# Altium PCB Copy of drac_v3.PcbDoc (part 2 of 5) (continued)
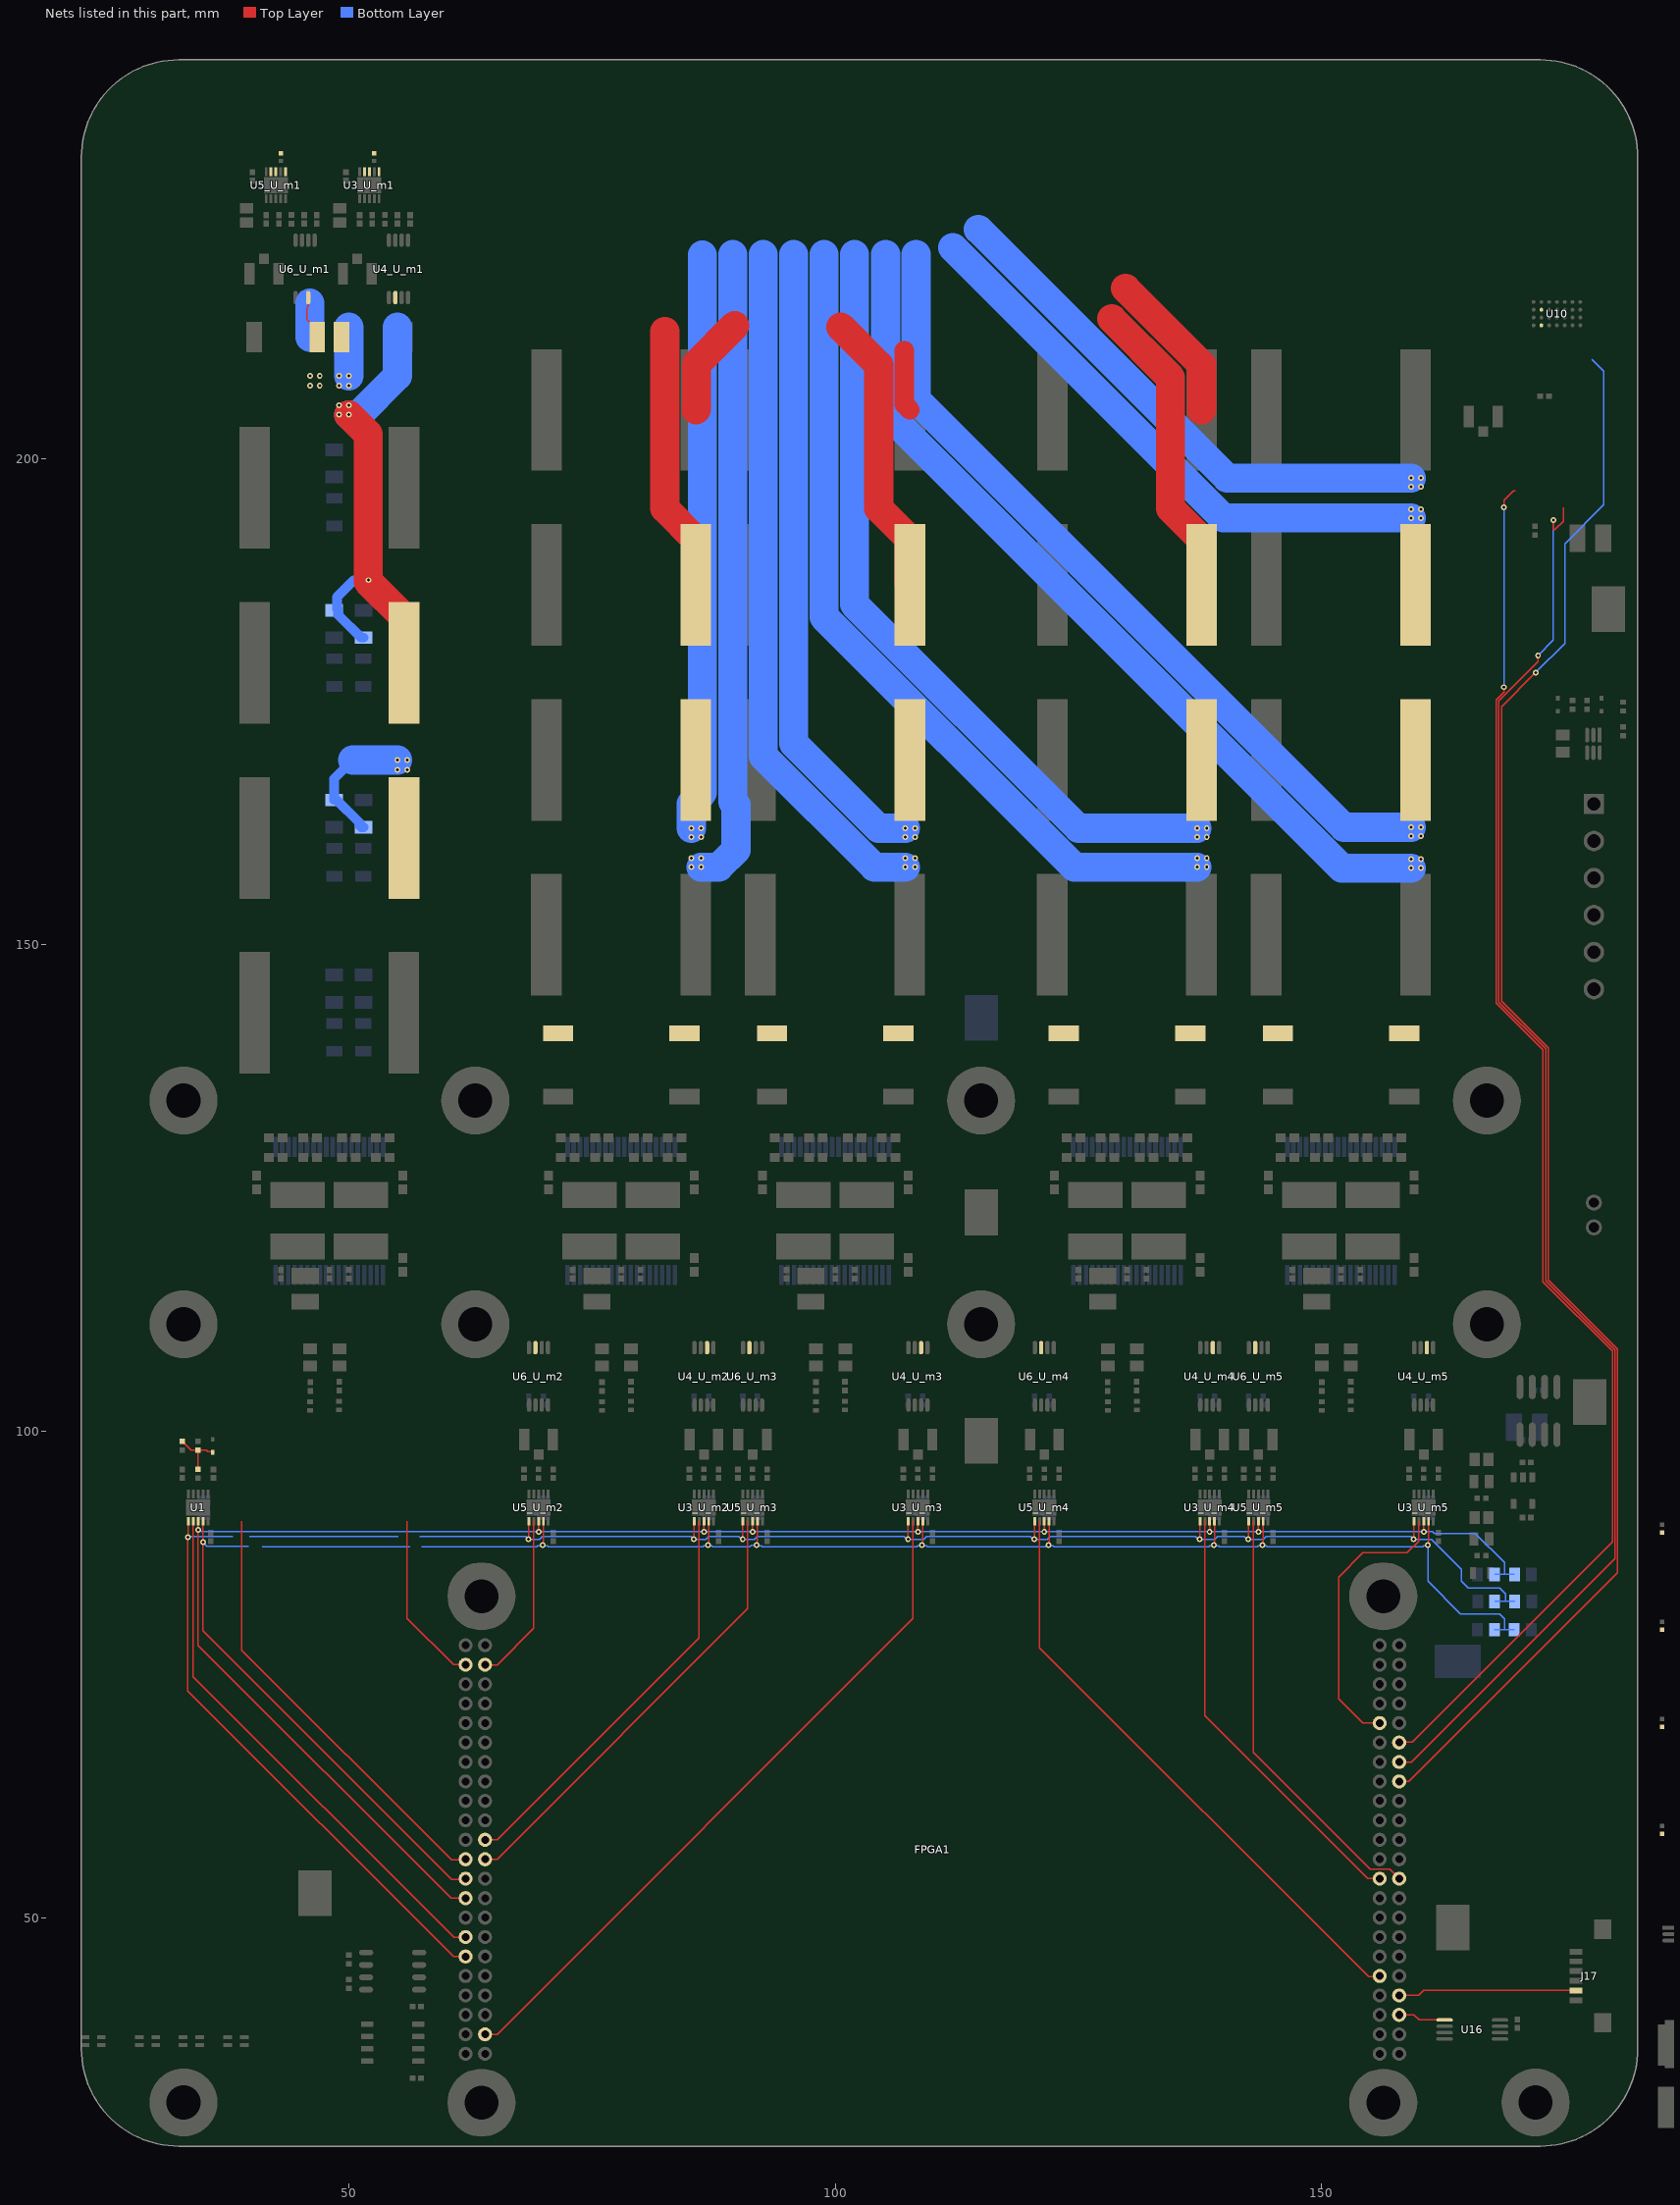
[diagram p4: the nets of this part, all layers, seen from the top]
## Part data (continued)
J5: library part "HEADER 2", "TE Connectivity MTA-100 Series, 2.54mm Pitch 2 Way 1 Row Straight PCB Header, Solder Termination, 5A", Color=Natural,White,Beige, Colour=White,Natural,Beige, Contact Current Rating=5A, Contact Resistance=6mR, Flammability Rating="UL94 V-0", Housing Color=Natural, Manufacturer="TE Connectivity", Manufacturer Part Number=640457-2, Max Operating Temperature=221°C, Max Voltage Rating (AC)=250V, Min Operating Temperature=-67°C, Package Quantity=1, Supplier Part Number 1=A19423-ND, Approvals=CSA, Backwall/Post Interruptions="No (Without)", Category=Connectors, ComponentLink1Description=https://datasheet.ciiva.com/709/eng-cd-640457-s2-709682.pdf, ComponentLink1URL=https://datasheet.ciiva.com/709/eng-cd-640457-s2-709682.pdf, ComponentLink2Description=https://datasheet.ciiva.com/14640/70083657-14640359.pdf, ComponentLink2URL=https://datasheet.ciiva.com/14640/70083657-14640359.pdf, ComponentLink3Description=https://datasheet.ciiva.com/3118/eng-ds-82056-mta-0608-3118505.pdf, ComponentLink3URL=https://datasheet.ciiva.com/3118/eng-ds-82056-mta-0608-3118505.pdf, ComponentLink4Description=https://datasheet.ciiva.com/11750/0900766b806a960f-11750281.pdf, ComponentLink4URL=https://datasheet.ciiva.com/11750/0900766b806a960f-11750281.pdf, ComponentLink5Description=https://datasheet.ciiva.com/30192/8852eng-ds-82056-mta-0608-30192537.pdf, ComponentLink5URL=https://datasheet.ciiva.com/30192/8852eng-ds-82056-mta-0608-30192537.pdf, ComponentLink6Description=https://datasheet.ciiva.com/16395/eng-ds-82056-mta-0608-16395963.pdf, ComponentLink6URL=https://datasheet.ciiva.com/16395/eng-ds-82056-mta-0608-16395963.pdf, ComponentLink7Description=https://datasheet.ciiva.com/25618/0900766b80e9e25b-25618125.pdf, ComponentLink7URL=https://datasheet.ciiva.com/25618/0900766b80e9e25b-25618125.pdf, ComponentLink8Description=https://datasheet.ciiva.com/16505/eng-ds-82056-mta-0608-16505423.pdf, ComponentLink8URL=https://datasheet.ciiva.com/16505/eng-ds-82056-mta-0608-16505423.pdf, ComponentLink9Description=https://datasheet.ciiva.com/16656/eng-ds-82056-mta-0608-16656527.pdf, ComponentLink9URL=https://datasheet.ciiva.com/16656/eng-ds-82056-mta-0608-16656527.pdf, ComponentLink10Description=https://datasheet.ciiva.com/15175/getdatasheetpartid-46749-15175703.pdf?src-supplier=Verical, ComponentLink10URL=https://datasheet.ciiva.com/15175/getdatasheetpartid-46749-15175703.pdf?src-supplier=Verical, ComponentLink11Description=https://datasheet.ciiva.com/16394/eng-ds-82056-mta-0608-16394202.pdf?src-supplier=Future+Electronics, ComponentLink11URL=https://datasheet.ciiva.com/16394/eng-ds-82056-mta-0608-16394202.pdf?src-supplier=Future+Electronics, ComponentLink12Description=https://datasheet.ciiva.com/6045/1650873-6045536.pdf?src-supplier=Farnell, ComponentLink12URL=https://datasheet.ciiva.com/6045/1650873-6045536.pdf?src-supplier=Farnell, ComponentLink13Description=https://datasheet.ciiva.com/11746/0900766b806b3bd3-11746906.pdf?src-supplier=RSComponents, ComponentLink13URL=https://datasheet.ciiva.com/11746/0900766b806b3bd3-11746906.pdf?src-supplier=RSComponents, ComponentLink14Description=https://datasheet.ciiva.com/7703/eng-ds-82056-mta-0608-7703518.pdf?src-supplier=Element14, ComponentLink14URL=https://datasheet.ciiva.com/7703/eng-ds-82056-mta-0608-7703518.pdf?src-supplier=Element14, ComponentLink15Description=https://datasheet.ciiva.com/3118/eng-ds-82056-mta-0608-3118490.pdf?src-supplier=Avnet, ComponentLink15URL=https://datasheet.ciiva.com/3118/eng-ds-82056-mta-0608-3118490.pdf?src-supplier=Avnet, ComponentLink16Description=https://datasheet.ciiva.com/709/eng-cd-640454-y2-709679.pdf?src-supplier=Digi-Key, ComponentLink16URL=https://datasheet.ciiva.com/709/eng-cd-640454-y2-709679.pdf?src-supplier=Digi-Key, ComponentLink17Description=https://datasheet.ciiva.com/16684/eng-ds-82056-mta-0608-16684984.pdf?src-supplier=Avnet+Europe, ComponentLink17URL=https://datasheet.ciiva.com/16684/eng-ds-82056-mta-0608-16684984.pdf?src-supplier=Avnet+Europe, Connector System=Wire-to-Board, Connector Type=Plug,Header,Pin, Contact Gender=Male, Contact Material="Copper Alloy", Contact Mating Length=0.295inch, Contact Plating=Tin, Contact Post Length=3.56mm, Contact Retention="No (Without)", Contact Shape=Square, Contact Style=Straight, Contact Type="Male Pin", Current Rating=5A, Depth=11.04mm, ELV=Compliant, Fastening Type=Friction, Gender=Male, Height=7.75mm, Housing Material=Polyester, Lead Free="Lead Free", Length=5.08mm, Mating Alignment="No (Without)", Mating Retention="No (Without)", Mount="Through Hole", Number of Contacts=2, Number of Positions=2, Number of Rows=1, Orientation="Right Angle", Packaging=Bulk, PCB Mount Alignment="No (Without)", PCB Mount Retention=Without, PCB Mounting Orientation=Vertical, PCB Thickness=0.063inch, Pitch=2.54mm, Plating Thickness=3.81um, Pricing 1="1=0.14, 10=0.127, 100=0.0783, 500=0.06482, 1000=0.05672, 5000=0.04862, 10000=0.04727 (USD)", Pricing 2="1=0.10000, 10=0.09400, 100=0.05800, 500=0.04802, 1000=0.04202, 5000=0.03601, 10000=0.03501 (USD)", Radiation Hardening=No, REACH SVHC=Unknown, RoHS=Yes, RoHS Compliant=Yes, Sealable="No (Without)", Series=MTA-100, Shrouded="No (Without)", Stock 1=10901, Stock 2=28315, Strain Relief="No (Without)", Supplier 1=Digi-Key, system=connector, Tail Length=3.56mm, Termination=Solder, Termination Post Length=3.56mm, Underplate Material=Nickel, Voltage Rating=250V
J16: library part 618026325223, "WR-DSUB Female High Density Angled PCB Connector without Hex Screw, 26p", Manufacturer="Wurth Electronics", Supplier Part Number 1=732-618026325223-ND, ComponentLink1Description=Manufacturer, ComponentLink1URL=http://www.we-online.de, ComponentLink2Description=Datasheet, ComponentLink2URL=http://katalog.we-online.de/em/datasheet/6180xx325223.pdf, Manufacturer Part Number=618026325223, PartNumber=618026325223, PinNumber=26, Pricing 1="1=8.10000, 10=7.69500, 50=7.15500, 100=6.75000, 250=6.21000, 500=5.40002 (USD)", Published="June 2016", Publisher="Wurth Elektronik", RoHS=Yes, RoHS Compliant=Yes, Stock 1=325, Supplier 1=Digi-Key, system=connector
J17: library part CMP-1502-01513-1, "SMT ZIF Connectors Hinge Type WR-FPC, Horizontal, Bottom Contact, pitch 1 mm, 6 pins", Contact Resistance=50mOhm, Manufacturer="Wurth Elektronik", Operating Temperature=-40to105degC, Rated Current=1A, Withstanding Voltage=500VAC, Working Voltage=100VAC, Contact Design=BottomContact, Datasheet URL=https://katalog.we-online.de/em/datasheet/686106148922.pdf, Manufacturer URL=http://www.we-online.de, Mounting Technology=SMT, Orientation=Horizontal, Package Reference=686106148922, Packaging=TapeandReel, Part Number=686106148922, Pin Number=6, Pitch=1mm, Publisher=WurthElektronik
L1_U_m1 L1_U_m2 L1_U_m3 L1_U_m4 L1_U_m5 L2_U_m1 L2_U_m2 L2_U_m3 L2_U_m4 L2_U_m5 L3_U_m1 L3_U_m2 L3_U_m3 L3_U_m4 L3_U_m5 L4_U_m1 L4_U_m2 L4_U_m3 L4_U_m4 L4_U_m5: library part Ind_0805, "FIXED IND 100UH 5.3A 118 MOHM", Case Code (Imperial)=0805, Case Code (Metric)=2012, Current Rating=6A, DC Resistance (DCR)=10mR, Inductance=100uH, Inductance Tolerance=20%, Manufacturer=TDK, Manufacturer Part Number=MPZ2012S300AT000, Max Operating Temperature=150°C, Min Operating Temperature=-40°C, Package Quantity=1, Ratings=AEC-Q200, Resistor Type=Wirewound, RMS Current (Irms)=5.3A, Saturation Current=6.5A, Self Resonant Frequency=2MHz, Supplier Part Number 1=SRP1770TA-101MCT-ND, Test Frequency=100kHz, Case/Package=0805, Category="Fixed Inductors", ComponentLink1Description=https://datasheet.ciiva.com/46381/1750041-46381644.pdf, ComponentLink1URL=https://datasheet.ciiva.com/46381/1750041-46381644.pdf, ComponentLink2Description=https://datasheet.ciiva.com/48682/beads-commercial-power-mpz-en-48682508.pdf, ComponentLink2URL=https://datasheet.ciiva.com/48682/beads-commercial-power-mpz-en-48682508.pdf, ComponentLink3Description=https://datasheet.ciiva.com/8077/55169-8077085.pdf, ComponentLink3URL=https://datasheet.ciiva.com/8077/55169-8077085.pdf, ComponentLink4Description=https://datasheet.ciiva.com/8077/55169-8077086.pdf, ComponentLink4URL=https://datasheet.ciiva.com/8077/55169-8077086.pdf, ComponentLink5Description=https://datasheet.ciiva.com/46634/beads-commercial-power-mpz-en-46634590.pdf, ComponentLink5URL=https://datasheet.ciiva.com/46634/beads-commercial-power-mpz-en-46634590.pdf, ComponentLink6Description=https://datasheet.ciiva.com/46634/beads-commercial-power-mpz-en-46634367.pdf, ComponentLink6URL=https://datasheet.ciiva.com/46634/beads-commercial-power-mpz-en-46634367.pdf, ComponentLink7Description=http://www.farnell.com/datasheets/2360566.pdf?src-supplier=Farnell, ComponentLink7URL=http://www.farnell.com/datasheets/2360566.pdf?src-supplier=Farnell, ComponentLink8Description=http://www.farnell.com/datasheets/1955470.pdf?src-supplier=Element14, ComponentLink8URL=http://www.farnell.com/datasheets/1955470.pdf?src-supplier=Element14, ComponentLink9Description=http://www.bourns.com/docs/Product-Datasheets/SRP1770TA.pdf?src-supplier=Digi-Key, ComponentLink9URL=http://www.bourns.com/docs/Product-Datasheets/SRP1770TA.pdf?src-supplier=Digi-Key, ComponentLink10Description=https://www.bourns.com/docs/Product-Datasheets/SRP1770TA.pdf?src-supplier=Digi-Key, ComponentLink10URL=https://www.bourns.com/docs/Product-Datasheets/SRP1770TA.pdf?src-supplier=Digi-Key, Core Material=Ferrite, Depth=1.25mm, Height=0.041inch, Height - Seated (Max)=0.276inch, Impedance=30R, Lead Free="Lead Free", Length=0.079inch, Max DC Current=6A, Mount="Surface Mount", Number of Pins=3, Packaging="Tape and Reel", Pricing 1="1=0.11, 10=0.091, 25=0.0704, 50=0.0584, 100=0.0503, 250=0.04028, 500=0.03624, 1000=0.0302 (USD)", Pricing 2="1=4.17000, 10=3.82200, 25=3.47520, 50=2.91900, 100=2.50200 (USD)", REACH SVHC="No SVHC", RoHS=Yes, RoHS Compliant=Yes, Shielding=Shielded, Stock 1=117704, Stock 2=17, Supplier 1=Digi-Key, Tolerance=20%, Width=0.049inch
L5 L6: library part CMP-2000-06589-1, "Chip Inductor, 1.0 uH, +/- 20%, -55 to 125 degC, 2-Pin SMD (0805), RoHS, Tape and Reel", Case Size/Dimension=0805, DC Resistance=0.19, Inductance-Nom=1H, Manufacturer=Murata, Package Description="2-Pin Surface Mounted Device, Body 2 x 1.25 mm", Rated Current-Max=800mA, Tolerance (%)=20%, Datasheet URL=https://datasheet.ciiva.com/3866/336lqm21pn1r0mc023-3866307.pdf, Datasheet Version=07/2014, Manufacturer URL=http://www.murata.com/, Mounting Technology=SurfaceMount, Package Reference=0805
L7 L8 L9 L10: library part CMP-0222-00042-1, "SMD Common Mode Noise Suppressor WE-CNSW, Z = 370 Ohm", ComponentLink1Description="Manufacturer Link", ComponentLink1URL=http://www.we-online.com, ComponentLink2Description=Datasheet, ComponentLink2URL=http://www.we-online.de/katalog/media/pdf/744231371.pdf, DatasheetVersion="ver 4, Nov-2010", Impedance="370 Ohm", PackageDescription="SMD Inductor, 4-Leads, Body 1.4 x 2.2 mm", PackageReference=WE-CNSW-0805, PackageVersion=2010
P1: library part CMP-1502-02269-1, "Serie 3315 - 5.08mm Double Level Horizontal Male PCB Header with Flanges WR-TBL, 10 pin", Manufacturer="Wurth Elektronik", Operating Temperature=-40to105degC, Datasheet URL=http://katalog.we-online.de/em/datasheet/6913315100xx.pdf, Gender=Male, Manufacturer URL=http://www.we-online.de, Mounting Technology=THT, Package Reference=691331510010, Packaging=Box, Part Number=691331510010, Pin Number=10, Pitch=5.08mm, Publisher=WurthElektronik
P2: library part CMP-2000-05242-1, "Male Header, Pitch 2.54 mm, 1 x 3 Position, Height 8.18 mm, Tail Length 3.56 mm, RoHS, Bulk", Current Rating=4A, Manufacturer=Molex, Voltage Rating=250V, Brand=Molex, Contact Gender=Pin(Male), Contact Material=Brass, Contact Plating=Tin, Datasheet URL=https://datasheet.ciiva.com/19472/232274-19472863.pdf, Datasheet Version=Sep-01, Factory Pack Quantity=16000, Housing Material=Nylon, Manufacturer URL=http://www.molex.com/, Mounting Angle=Vertical, Mounting Style=ThroughHole, Number of Positions=3Position, Number of Rows=1Row, Packaging=Bulk, Pitch=2.54mm, Product=Headers, Product Category=Headers&WireHousings, RoHS=Details, Series=6373, Termination Style=ThroughHole, Tradename=KK, Type=Locking
Q1 Q2 Q3: library part CMP-12801-000100-1, "MOSFET 2N-CH 30V 1A SOT363", Case/Package=SOT-363, Continuous Drain Current (ID)=1A, Drain to Source Resistance=190mR, Drain to Source Voltage (Vdss)=30V, Gate to Source Voltage (Vgs)=20V, Input Capacitance=87pF, Max Operating Temperature=150°C, Max Power Dissipation=320mW, Min Operating Temperature=-55°C, Package Quantity=3000, Element Configuration=Dual, Fall Time=15.6ns, FET Type="2 N-Channel", Height=1mm, Lead Free="Lead Free", Length=2.2mm, Mount="Surface Mount", Number Of Channels=2, Number of Pins=6, Packaging="Tape and Reel", Radiation Hardening=No, Rds On Max=190mR, Rise Time=8.9ns, Supplier 1="Arrow Electronics", Supplier Part Number 1=DMN3190LDW-7, Turn-Off Delay Time=30.3ns, Turn-On Delay Time=4.5ns, Weight=0.000212oz, Width=1.35mm
R1 R9_U_m1 R9_U_m2 R9_U_m3 R9_U_m4 R9_U_m5 R10_U_m1 R10_U_m2 R10_U_m3 R10_U_m4 R10_U_m5: "RES, 0, 5%, 0.063 W, 0402", Manufacturer=Vishay-Dale, Power_W=0.063, Supplier Part Number 1=541-0.0JCT-ND, TempCo="200 ppm/C", Tolerance_%=5, Value1=5%, Value2=0.063W, Value_Code=0000, ValueDisplayed=0, AEC Category=Q200, AEC Qualified=?, ComponentLink1Description="Datasheet link", ComponentLink1URL=http://www.vishay.com/docs/20035/dcrcwe3.pdf, CompType=Resistor, EIA_Code=E24, LatestRevisionDate=2016-07-14, MountType=SMT, PackageReference=0402, PartNumber=CRCW04020000Z0ED, Published=2008-06-26, Publisher="Texas Instruments", Res_ohm=0, RoHS=Y, SizeArea_mm2=0.5, SizeX_mm=1, SizeY_mm=0.5, SizeZ_mm=0.6, Supplier 1=Digi-Key, Supplier 2=Mouser, Supplier 3=Farnell, Supplier Part Number 2=71-CRCW0402-0-E3, Supplier Part Number 3=1469661, SymbolVersion=2009-05-29, Technology="Thick Film", U/M=EA, VDC_V=50
R2_U_m1 R2_U_m2 R2_U_m3 R2_U_m4 R2_U_m5 R3_U_m1 R3_U_m2 R3_U_m3 R3_U_m4 R3_U_m5: library part TLR3A20ER010FTDG, "RES 0.01 OHM 1% 2W 2512", Device Package="2512 (6432 Metric)", Manufacturer="TE Connectivity Passive Product", Operating Temperature="-55°C ~ 170°C", Power (Watts)=2W, Supplier Device Package=2512, Supplier Part Number 1=CRA2512-FZ-R010ELFCT-ND, Temperature Coefficient=±100ppm/°C, Tolerance=±1%, ComponentLink1Description=Datasheet, ComponentLink1URL=https://www.te.com/commerce/DocumentDelivery/DDEController?Action=srchrtrv&DocNm=1773449-3&DocType=DS&DocLang=English, ComponentLink2Description="DigiKey Link", ComponentLink2URL=http://digikey.com/product-detail/en/te-connectivity-passive-product/TLR3A20ER010FTDG/A129568CT-ND/8566772, Composition="Metal Foil", Features="Current Sense", Height - Seated (Max)="0.024\" (0.60mm)", LastUpdated="9/2/2020 1:18:04 AM", Lifecycle Status=Active, Minimum Order=1, Number of Terminations=2, Package / Case="2512 (6432 Metric)", Packaging=TapeAndReel, Part Number=TLR3A20ER010FTDG, Part Status=Active, PartId=1895, Price=0.30, Resistance="10 mOhms", Series="TLR, CGS", Size / Dimension="0.252\" L x 0.126\" W (6.40mm x 3.20mm)", Supplier 1=Digi-Key
R4_U_m1 R4_U_m2 R4_U_m3 R4_U_m4 R4_U_m5 R5_U_m1 R5_U_m2 R5_U_m3 R5_U_m4 R5_U_m5 R6_U_m1 R6_U_m2 R6_U_m3 R6_U_m4 R6_U_m5 R7_U_m1 R7_U_m2 R7_U_m3 R7_U_m4 R7_U_m5 R8_U_m1 R8_U_m2 R8_U_m3 R8_U_m4 R8_U_m5 R11 R12 R13 R14 R15 R16 R21 R22 R23 R29 R30 R31 R32 R33 R34 R35 R36 R37 R38 R39 R40 R41 R42: "Resistor"
R17_U_m1 R17_U_m2 R17_U_m3 R17_U_m4 R17_U_m5 R18_U_m1 R18_U_m2 R18_U_m3 R18_U_m4 R18_U_m5 R19_U_m1 R19_U_m2 R19_U_m3 R19_U_m4 R19_U_m5 R20_U_m1 R20_U_m2 R20_U_m3 R20_U_m4 R20_U_m5 R24_U_m1 R24_U_m2 R24_U_m3 R24_U_m4 R24_U_m5 R25_U_m1 R25_U_m2 R25_U_m3 R25_U_m4 R25_U_m5 R26_U_m1 R26_U_m2 R26_U_m3 R26_U_m4 R26_U_m5 R27_U_m1 R27_U_m2 R27_U_m3 R27_U_m4 R27_U_m5: library part CMP-2003-00692-1, Manufacturer=Panasonic, Part Number=ERJ-8RQF8R2V
R28_U_m1 R28_U_m2 R28_U_m3 R28_U_m4 R28_U_m5 R43_U_m1 R43_U_m2 R43_U_m3 R43_U_m4 R43_U_m5: library part CMP-2002-01146-1, Manufacturer=Panasonic, Part Number=ERJ2RKF33R0X
TP1 TP2 TP3 TP4 TP5 TP6 TP7 TP8 TP9: "Test Point, Compact, SMT", Manufacturer=Keystone, Supplier Part Number 1=36-5016TR-ND, ComponentLink1Description="Datasheet URL", ComponentLink1URL=http://www.keyelco.com/userAssets/store/files/5016.PDF, CompType="Test Point Loop", LatestRevisionDate=2016-09-14, MountType=SMT, PackageReference=Testpoint_Keystone_Compact, PartNumber=5016, Publisher="Texas Instruments", RoHS=Y, Supplier 1=Digi-Key, Supplier 2=Mouser, Supplier Part Number 2=534-5016, SymbolVersion=2008-04-04
U1 U3_U_m1 U3_U_m2 U3_U_m3 U3_U_m4 U3_U_m5 U5_U_m1 U5_U_m2 U5_U_m3 U5_U_m4 U5_U_m5: "16-Bit, 2 MSPS/1 MSPS/500 kSPS, / Precision, Pseudo Differential, SAR ADCs", RefDes=RefDes, Supplier 1="Arrow Electronics", Supplier Part Number 1=AD4008BCPZ-RL7, Type=Type
U2_U_m1 U2_U_m2 U2_U_m3 U2_U_m4 U2_U_m5: library part CMP-1556-00009-2, "12 A Dual Brushed DC or Single Bipolar Stepper Motor Driver (PWM Ctrl), 0 to 52.5 V, -40 to 85 degC, 36-pin SOP (DKD36), Green (RoHS & no Sb/Br)", Case/Package=HSSOP, Manufacturer="Texas Instruments", Max Operating Temperature=85°C, Max Output Current=12A, Max Supply Voltage=52.5V, Min Operating Temperature=-40°C, Min Supply Voltage=0V, Nominal Supply Current=10.5mA, Operating Supply Voltage=50V, Output Current=7A, Package Quantity=500, Package Reference=DKD0036A, Peak Output Current(A)=12, Power Dissipation=5W, RMS Output Current(A)=7, Supplier Part Number 1=296-29573-1-ND, Category="Amplifiers - Audio", ComponentLink1Description="Manufacturer URL", ComponentLink1URL=http://www.ti.com/, ComponentLink2Description=Datasheet, ComponentLink2URL=http://www.ti.com/general/docs/lit/getliterature.tsp?genericPartNumber=DRV8432&fileType=pdf, ComponentLink3Description="Package Specification", ComponentLink3URL=http://www.ti.com/lit/ml/mpds126j/mpds126j.pdf, ComponentLink4Description=https://datasheet.ciiva.com/15109/getdatasheetpartid-482142-15109561.pdf?src-supplier=Verical, ComponentLink4URL=https://datasheet.ciiva.com/15109/getdatasheetpartid-482142-15109561.pdf?src-supplier=Verical, ComponentLink5Description=https://datasheet.ciiva.com/1959/drv8432-1959978.pdf?src-supplier=Digi-Key, ComponentLink5URL=https://datasheet.ciiva.com/1959/drv8432-1959978.pdf?src-supplier=Digi-Key, ComponentLink6Description=https://datasheet.ciiva.com/41457/001013555-da-01-en-ic-bridge-driver-drv8432dkdr-ssop-36-tid-41457289.pdf?src-supplier=Conrad, ComponentLink6URL=https://datasheet.ciiva.com/41457/001013555-da-01-en-ic-bridge-driver-drv8432dkdr-ssop-36-tid-41457289.pdf?src-supplier=Conrad, ComponentLink7Description=https://datasheet.ciiva.com/3228/drv8432-3228999.pdf?src-supplier=Avnet, ComponentLink7URL=https://datasheet.ciiva.com/3228/drv8432-3228999.pdf?src-supplier=Avnet, ComponentLink8Description=https://datasheet.ciiva.com/1959/drv8432-1959979.pdf?src-supplier=Digi-Key, ComponentLink8URL=https://datasheet.ciiva.com/1959/drv8432-1959979.pdf?src-supplier=Digi-Key, ComponentLink9Description=https://datasheet.ciiva.com/1959/drv8432-1959980.pdf?src-supplier=Digi-Key, ComponentLink9URL=https://datasheet.ciiva.com/1959/drv8432-1959980.pdf?src-supplier=Digi-Key, Control I/F=PWM, DatasheetVersion=SLES242D, Eco-Plan="Green (RoHS & no Sb/Br)", Fault Protection="Over Temperature,Short Circuit", Interface=PWM, Lead Free="Lead Free", Manufacturer Part Number=DRV8432DKDR, Mount="Surface Mount", Mounting Technology="Surface Mount", Number of Outputs=2, Number of Pins=36, Output Current per Channel=7A, PackageDescription="36-Pin Plastic Small Outline, Body 15.9 x 11 mm, Pitch 0.65 mm", PackageVersion="4204421-2/K, 11/2013", Packaging="Tape and Reel", PartNumber=DRV8432DKDR, Pricing 1="1=12.21000, 10=11.03000, 25=10.51720, 100=8.72170, 250=7.95212 (USD)", Radiation Hardening=No, rDS (ON) (LS + HS)(mOhms)=220, RoHS=Yes, RoHS Compliant=Yes, Series=DRV8432, Stock 1=927, Supplier 1=Digi-Key, Supply Current=10.5mA, Vs(Max)(V)=52.5, Vs(Min)(V)=0
U4_U_m1 U4_U_m2 U4_U_m3 U4_U_m4 U4_U_m5 U6_U_m1 U6_U_m2 U6_U_m3 U6_U_m4 U6_U_m5: "TEXAS INSTRUMENTS - INA240A1PWR . - CURRENT SENSE AMPLIFIER, 400KHZ, TSSOP-8", Alternate Manufacturer="Texas Instruments", Case/Package=TSSOP, Input Bias Current=90uA, Input Offset Voltage (Vos)=5uV, Manufacturer Part Number=INA240A1PWR, Max Operating Temperature=125°C, Min Operating Temperature=-40°C, Operating Supply Current=1.8mA, Supplier Part Number 1=296-45089-1-ND, -3db Bandwidth=400kHz, Category="Amplifiers - Op Amps, Buffer, Instrumentation", ComponentLink1Description="Datasheet Link", ComponentLink1URL="https://sps06.itg.ti.com/sites/KMS/crossdivteams/altium/docs/ComponentDatasheets/INA240 Prelim DS - 9-15-15.pdf", ComponentLink2Description=http://www.ti.com/lit/ds/symlink/ina240.pdf?src-supplier=Farnell, ComponentLink2URL=http://www.ti.com/lit/ds/symlink/ina240.pdf?src-supplier=Farnell, ComponentLink3Description=http://www.ti.com/lit/ds/symlink/ina240.pdf?src-supplier=Digi-Key, ComponentLink3URL=http://www.ti.com/lit/ds/symlink/ina240.pdf?src-supplier=Digi-Key, ComponentLink4Description=http://www.ti.com/lit/ds/symlink/ina240.pdf?src-supplier=Newark, ComponentLink4URL=http://www.ti.com/lit/ds/symlink/ina240.pdf?src-supplier=Newark, CompType=IC, LatestRevisionDate=2016-03-14, Lead Free="Lead Free", Manufacturer="Texas Instruments", Mount="Surface Mount", MountType=SMT, Number of Circuits=1, PackageReference=PW0008A, Packaging="Tape and Reel", PartNumber=INA240A1PW, Pricing 1="1=2.78000, 10=2.50000, 50=2.37000, 100=1.95000, 1000=1.40000, 10000=1.34000 (USD)", Publisher="Texas Instruments", RoHS Compliant=Yes, Slew Rate=2V/µs, Stock 1=14825, Supplier 1=Digi-Key, Supplier 2=Mouser, Supplier Part Number 2=595-INA240A1PWR, SymbolCreator=Altium, SymbolVersion=2016-01-07, U/M=EA